# Altium PCB PCB_CAR.PcbDoc (part 1 of 3) (continued)
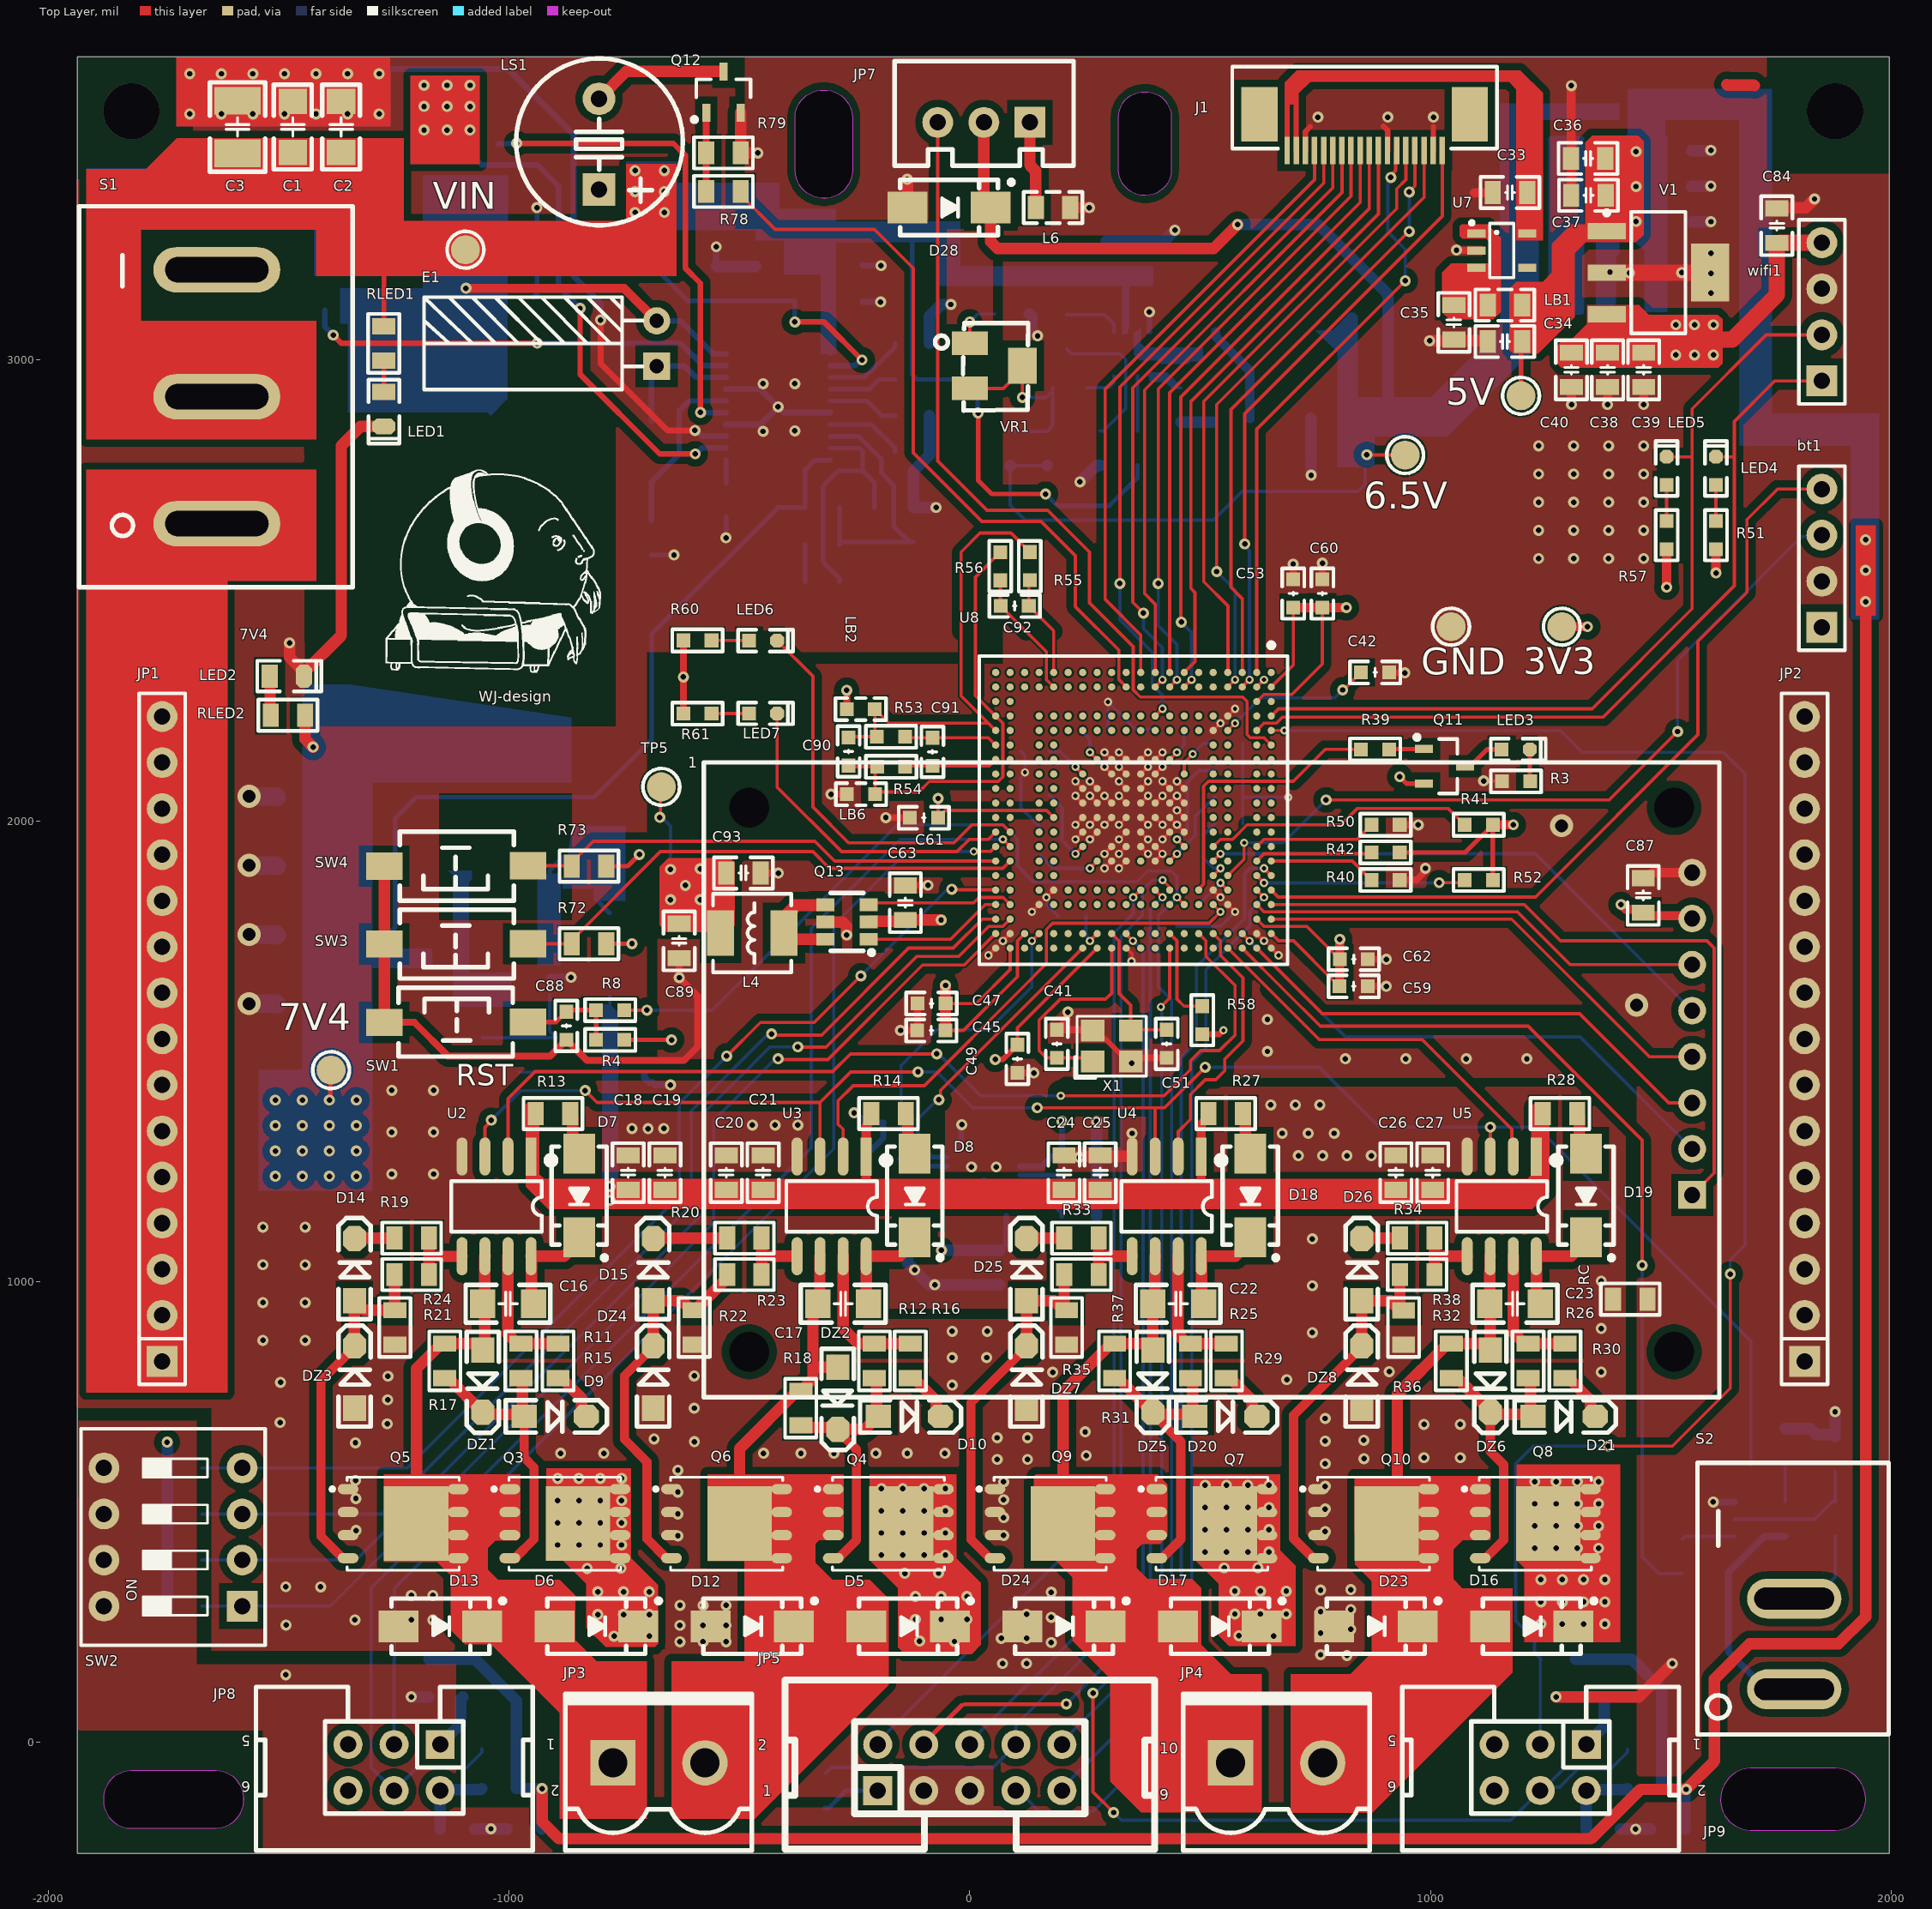
[diagram p0: Top Layer view]
## Footprints (in the part's own frame and the unit in brackets; to place one, negate y for a bottom-side part, rotate by r counter-clockwise, add the part's x,y. Pads: shape width x height; smd on the part's side, far side on the other; paste and mask are expansions set on the pad)
1.8'TFT [mil]
  round 60 hole 35: 1(-1138.98,-59.06) 2(-1038.98,-59.06) 3(-938.98,-59.06) 4(-838.98,-59.06) 5(-738.98,-59.06) 6(-638.98,-59.06) 7(-538.98,-59.06)
  rect 60x60 hole 35: 8(-438.98,-59.06)
  round 60 hole 86.61: 29(-1279.53,-2106.3) 29(-1279.53,-98.43) 29(-98.43,-98.43) 29(-98.43,-2106.3)
  silkscreen extent -1378,-2205 0,0
"BEEP 5x9x5.5" [mm] "5*9*5.5mm(脚距,直径,高度)"
  rect 1.8x1.8 hole 0.9: 1(0,-2.5)
  round 1.8 hole 0.9: 2(0,2.5)
  silkscreen extent -4.58,-4.47 4.62,4.72, body extent -4.5,-4.5 4.5,4.5, height 5.45
BGA292C80P20X20 [mm] "BGA,0.80mm pitch,square;292 pin,20 columns X 20 rows,17.00mm X 17.00mm X 1.70mm H"
  round 0.4 smd paste+0 mask+0: A1(-7.6,7.6) A2(-6.8,7.6) A3(-6,7.6) A4(-5.2,7.6) A5(-4.4,7.6) A6(-3.6,7.6) A7(-2.8,7.6) A8(-2,7.6) A9(-1.2,7.6) A10(-0.4,7.6) A11(0.4,7.6) A12(1.2,7.6) A13(2,7.6) A14(2.8,7.6) A15(3.6,7.6) A16(4.4,7.6) A17(5.2,7.6) A18(6,7.6) A19(6.8,7.6) A20(7.6,7.6) B1(-7.6,6.8) B2(-6.8,6.8) B3(-6,6.8) B4(-5.2,6.8) B5(-4.4,6.8) B6(-3.6,6.8) B7(-2.8,6.8) B8(-2,6.8) B9(-1.2,6.8) B10(-0.4,6.8) B11(0.4,6.8) B12(1.2,6.8) B13(2,6.8) B14(2.8,6.8) B15(3.6,6.8) B16(4.4,6.8) B17(5.2,6.8) B18(6,6.8) B19(6.8,6.8) B20(7.6,6.8) C1(-7.6,6) C2(-6.8,6) C19(6.8,6) C20(7.6,6) D1(-7.6,5.2) D2(-6.8,5.2) D4(-5.2,5.2) D5(-4.4,5.2) D6(-3.6,5.2) D7(-2.8,5.2) D8(-2,5.2) D9(-1.2,5.2) D10(-0.4,5.2) D11(0.4,5.2) D12(1.2,5.2) D13(2,5.2) D14(2.8,5.2) D15(3.6,5.2) D16(4.4,5.2) D17(5.2,5.2) D19(6.8,5.2) D20(7.6,5.2) E1(-7.6,4.4) E2(-6.8,4.4) E4(-5.2,4.4) E5(-4.4,4.4) E6(-3.6,4.4) E7(-2.8,4.4) E8(-2,4.4) E9(-1.2,4.4) E10(-0.4,4.4) E11(0.4,4.4) E12(1.2,4.4) E13(2,4.4) E14(2.8,4.4) E15(3.6,4.4) E16(4.4,4.4) E17(5.2,4.4) E19(6.8,4.4) E20(7.6,4.4) F1(-7.6,3.6) F2(-6.8,3.6) F4(-5.2,3.6) F5(-4.4,3.6) F16(4.4,3.6) F17(5.2,3.6) F19(6.8,3.6) F20(7.6,3.6) G1(-7.6,2.8) G2(-6.8,2.8) G4(-5.2,2.8) G5(-4.4,2.8) G8(-2,2.8) G9(-1.2,2.8) G10(-0.4,2.8) G11(0.4,2.8) G12(1.2,2.8) G13(2,2.8) G16(4.4,2.8) G17(5.2,2.8) G19(6.8,2.8) G20(7.6,2.8) H1(-7.6,2) H2(-6.8,2) H4(-5.2,2) H5(-4.4,2) H7(-2.8,2) H9(-1.2,2) H10(-0.4,2) H11(0.4,2) H12(1.2,2) H14(2.8,2) H16(4.4,2) H17(5.2,2) H19(6.8,2) H20(7.6,2) J1(-7.6,1.2) J2(-6.8,1.2) J4(-5.2,1.2) J5(-4.4,1.2) J7(-2.8,1.2) J8(-2,1.2) J10(-0.4,1.2) J11(0.4,1.2) J13(2,1.2) J14(2.8,1.2) J16(4.4,1.2) J17(5.2,1.2) J19(6.8,1.2) J20(7.6,1.2) K1(-7.6,0.4) K2(-6.8,0.4) K4(-5.2,0.4) K5(-4.4,0.4) K7(-2.8,0.4) K8(-2,0.4) K9(-1.2,0.4) K10(-0.4,0.4) K11(0.4,0.4) K12(1.2,0.4) K13(2,0.4) K14(2.8,0.4) K16(4.4,0.4) K17(5.2,0.4) K19(6.8,0.4) K20(7.6,0.4) L1(-7.6,-0.4) L2(-6.8,-0.4) L4(-5.2,-0.4) L5(-4.4,-0.4) L7(-2.8,-0.4) L8(-2,-0.4) L9(-1.2,-0.4) L10(-0.4,-0.4) L11(0.4,-0.4) L12(1.2,-0.4) L13(2,-0.4) L14(2.8,-0.4) L16(4.4,-0.4) L17(5.2,-0.4) L19(6.8,-0.4) L20(7.6,-0.4) M1(-7.6,-1.2) M2(-6.8,-1.2) M4(-5.2,-1.2) M5(-4.4,-1.2) M7(-2.8,-1.2) M8(-2,-1.2) M10(-0.4,-1.2) M11(0.4,-1.2) M13(2,-1.2) M14(2.8,-1.2) M16(4.4,-1.2) M17(5.2,-1.2) M19(6.8,-1.2) M20(7.6,-1.2) N1(-7.6,-2) N2(-6.8,-2) N4(-5.2,-2) N5(-4.4,-2) N7(-2.8,-2) N9(-1.2,-2) N10(-0.4,-2) N11(0.4,-2) N12(1.2,-2) N14(2.8,-2) N16(4.4,-2) N17(5.2,-2) N19(6.8,-2) N20(7.6,-2) P1(-7.6,-2.8) P2(-6.8,-2.8) P4(-5.2,-2.8) P5(-4.4,-2.8) P8(-2,-2.8) P9(-1.2,-2.8) P10(-0.4,-2.8) P11(0.4,-2.8) P12(1.2,-2.8) P13(2,-2.8) P16(4.4,-2.8) P17(5.2,-2.8) P19(6.8,-2.8) P20(7.6,-2.8) R1(-7.6,-3.6) R2(-6.8,-3.6) R4(-5.2,-3.6) R5(-4.4,-3.6) R16(4.4,-3.6) R17(5.2,-3.6) R19(6.8,-3.6) R20(7.6,-3.6) T1(-7.6,-4.4) T2(-6.8,-4.4) T4(-5.2,-4.4) T5(-4.4,-4.4) T6(-3.6,-4.4) T7(-2.8,-4.4) T8(-2,-4.4) T9(-1.2,-4.4) T10(-0.4,-4.4) T11(0.4,-4.4) T12(1.2,-4.4) T13(2,-4.4) T14(2.8,-4.4) T15(3.6,-4.4) T16(4.4,-4.4) T17(5.2,-4.4) T19(6.8,-4.4) T20(7.6,-4.4) U1(-7.6,-5.2) U2(-6.8,-5.2) U4(-5.2,-5.2) U5(-4.4,-5.2) U6(-3.6,-5.2) U7(-2.8,-5.2) U8(-2,-5.2) U9(-1.2,-5.2) U10(-0.4,-5.2) U11(0.4,-5.2) U12(1.2,-5.2) U13(2,-5.2) U14(2.8,-5.2) U15(3.6,-5.2) U16(4.4,-5.2) U17(5.2,-5.2) U19(6.8,-5.2) U20(7.6,-5.2) V1(-7.6,-6) V2(-6.8,-6) V19(6.8,-6) V20(7.6,-6) W1(-7.6,-6.8) W2(-6.8,-6.8) W3(-6,-6.8) W4(-5.2,-6.8) W5(-4.4,-6.8) W6(-3.6,-6.8) W7(-2.8,-6.8) W8(-2,-6.8) W9(-1.2,-6.8) W10(-0.4,-6.8) W11(0.4,-6.8) W12(1.2,-6.8) W13(2,-6.8) W14(2.8,-6.8) W15(3.6,-6.8) W16(4.4,-6.8) W17(5.2,-6.8) W18(6,-6.8) W19(6.8,-6.8) W20(7.6,-6.8) Y1(-7.6,-7.6) Y2(-6.8,-7.6) Y3(-6,-7.6) Y4(-5.2,-7.6) Y5(-4.4,-7.6) Y6(-3.6,-7.6) Y7(-2.8,-7.6) Y8(-2,-7.6) Y9(-1.2,-7.6) Y10(-0.4,-7.6) Y11(0.4,-7.6) Y12(1.2,-7.6) Y13(2,-7.6) Y14(2.8,-7.6) Y15(3.6,-7.6) Y16(4.4,-7.6) Y17(5.2,-7.6) Y18(6,-7.6) Y19(6.8,-7.6) Y20(7.6,-7.6)
  silkscreen extent -9.22,-8.5 8.5,8.5, body extent -8.52,-8.52 8.48,8.48, height 1.71
"C 0603_L" [mil] "无极性贴片电容"
  rect 30x30 smd: 1(-30.59,0) 2(30.59,0)
  silkscreen extent -55,-24 55,24, body extent -31,-16 31,16, height 32
"C 0805_L" [mil] "无极性贴片电容"
  rect 35x50 smd: 1(-37.4,0) 2(37.4,0)
  silkscreen extent -64,-34 64,34, body extent -39,-24 39,24, height 20
"C 1206_L" [mil] "无极性贴片电容"
  rect 55x62 smd: 1(-55.12,0) 2(55.11,0)
  silkscreen extent -92,-41 92,41, body extent -63,-32 63,32, height 48
"C 1210_L" [mil] "无极性贴片电容"
  rect 60x100 smd: 1(-57.09,0) 2(57.09,0)
  silkscreen extent -97,-60 97,60, body extent -63,-51 63,51, height 60
"CAP 2.5*5*11-H" [mm] "脚距2.5mm直径5mm高度11mm"
  rect 1.5x1.5 hole 0.8: 1(-1.25,0)
  round 1.5 hole 0.8: 2(1.25,0)
  silkscreen extent -2.54,0.76 2.55,12.83, body extent -2.5,-0.25 2.51,12.96, height 5.02
"CSW DIP-4P" [mm] "11.7*9.9*7mm"
  rect 1.7x1.7 hole 0.9: 1(-3.81,-3.81)
  round 1.7 hole 0.9: 2(-1.27,-3.81) 3(1.27,-3.81) 4(3.81,-3.81) 5(3.81,3.81) 6(1.27,3.81) 7(-1.27,3.81) 8(-3.81,3.81)
  silkscreen extent -5.97,-5.08 5.97,5.08, body extent -5.86,-4.95 5.86,4.95, height 6.65
"FB 0603_L" [mil] "小功率贴片磁珠"
  rect 30x30 smd: 1(-30.59,0) 2(30.59,0)
  silkscreen extent -55,-24 55,24, body extent -31,-16 32,16, height 31
"FB 0805_L" [mil] "小功率贴片磁珠"
  rect 35x50 smd: 1(-37.4,0) 2(37.4,0)
  silkscreen extent -64,-34 64,34, body extent -39,-24 39,24, height 35
FPC-05-18 [mm]
  rect 2x3 smd: 0(-5.606,-0.579) 0(5.992,-0.579)
  rect 0.305x1.5 smd: 1(4.468,-2.579) 2(3.965,-2.579) 3(3.462,-2.579) 4(2.959,-2.579) 5(2.456,-2.579) 6(1.953,-2.579) 7(1.45,-2.579) 8(0.947,-2.579) 9(0.444,-2.579) 10(-0.059,-2.579) 11(-0.561,-2.579) 12(-1.064,-2.579) 13(-1.567,-2.579) 14(-2.07,-2.579) 15(-2.573,-2.579) 16(-3.076,-2.579) 17(-3.579,-2.579) 18(-4.082,-2.579)
  silkscreen extent -7.11,-2.48 7.49,2.04, body extent -7.02,-2.68 7.41,2.43, height 2.01
HDR2.54-LI-4P [mm] "排针，4脚"
  rect 1.7x1.7 hole 0.9: 1(-3.81,0)
  round 1.7 hole 0.9: 2(-1.27,0) 3(1.27,0) 4(3.81,0)
  silkscreen extent -5.08,-1.27 5.08,1.27, body extent -5.08,-1.27 5.08,1.27, height 8.5
HDR2.54-LI-15P [mm] "排针，15脚"
  rect 1.7x1.7 hole 0.9: 1(-17.78,0)
  round 1.7 hole 0.9: 2(-15.24,0) 3(-12.7,0) 4(-10.16,0) 5(-7.62,0) 6(-5.08,0) 7(-2.54,0) 8(0,0) 9(2.54,0) 10(5.08,0) 11(7.62,0) 12(10.16,0) 13(12.7,0) 14(15.24,0) 15(17.78,0)
  silkscreen extent -19.05,-1.27 19.05,1.27, body extent -19.05,-1.27 19.05,1.27, height 8.5
HTSSOP-20_L6.5-W4.4-P0.65-LS6.4-BL-EP [mm]
  oval 0.343x1.747 smd: 1(-2.987,-3.022) 2(-2.337,-3.022) 3(-1.687,-3.022) 4(-1.037,-3.022) 5(-0.387,-3.022) 6(0.263,-3.022) 7(0.913,-3.022) 8(1.563,-3.022) 9(2.213,-3.022) 10(2.863,-3.022) 11(2.863,2.724) 12(2.213,2.724) 13(1.563,2.724) 14(0.913,2.724) 15(0.263,2.724) 16(-0.387,2.724) 17(-1.037,2.724) 18(-1.687,2.724) 19(-2.337,2.724) 20(-2.987,2.724)
  rect 4.2x3 smd: 21(-0.062,-0.149)
  silkscreen extent -3.76,-3.17 3.26,1.62
IDC2.54-LI-2x3P [mm] "6P简易牛角座"
  rect 1.6x1.6 hole 0.9: 1(0,0)
  round 1.6 hole 0.9: 2(0,2.54) 3(2.54,0) 4(2.54,2.54) 5(5.08,0) 6(5.08,2.54)
  silkscreen extent -5.11,-3.18 10.16,5.84, body extent -5.08,-3.08 10.16,5.77, height 9.17
IDC2.54-LI-2x5P [mm] "10P简易牛角座"
  rect 1.6x1.6 hole 0.9: 1(0,0)
  round 1.6 hole 0.9: 2(0,2.54) 3(2.54,0) 4(2.54,2.54) 5(5.08,0) 6(5.08,2.54) 7(7.62,0) 8(7.62,2.54) 9(10.16,0) 10(10.16,2.54)
  silkscreen extent -5.11,-3.23 15.27,6.1, body extent -5.08,-3.08 15.24,5.77, height 9.17
KEY-TH_CN-KCD1-101-3P [mm]
  oval 2.5x7 hole 1.4 slot 5.7 at 90 deg: 1(-7.041,-0.373) 2(-0.041,-0.373) 3(6.959,-0.373)
  silkscreen extent -10.54,-7.87 10.46,7.23
KEY-TH_CN-KCD11 [mm]
  oval 2.2x5.2 hole 1.2 slot 4.4 at 90 deg: 1(-3.476,0) 2(1.524,0)
  silkscreen extent -5.97,-5.21 9.02,5.33
KF2EDGK5.08-LI-2P [mm] "立插端子"
  rect 2.5x2.5 hole 1.6: 1(-2.54,0)
  round 2.5 hole 1.6: 2(2.54,0)
  silkscreen extent -5.16,-4.83 5.13,3.81, body extent -5.08,-4.75 5.08,3.75, height 11.25
"L 0805_L" [mil] "小功率贴片电感"
  rect 35x50 smd: 1(-37.4,0) 2(37.4,0)
  silkscreen extent -64,-34 64,34, body extent -39,-24 39,24, height 35
L-SMD-0420 [mm] "一体化成型电感"
  rect 1.5x2.5 smd: 1(-1.75,0) 2(1.75,0)
  silkscreen extent -2.16,-2.16 2.16,2.16, body extent -2.25,-2.05 2.25,2.05, height 2.05
L-SMD-0630 [mm] "一体化成型电感"
  rect 3x3.5 smd: 1(-3.175,0) 2(3.175,0)
  silkscreen extent -3.66,-3.48 3.66,3.48, body extent -3.47,-3.3 3.48,3.3, height 3.05
"LED 0603Y" [mil] "黄色0603LED"
  rect 30x30 smd: 1(-30.59,0)
  oct 30x30 smd: 2(30.59,0)
  silkscreen extent -54,-24 65,24, body extent -31,-16 31,16, height 24
"LED 0805G" [mil] "绿色0805LED"
  rect 35x50 smd: 1(-37.4,0)
  oct 35x50 smd: 2(37.4,0)
  silkscreen extent -64,-33 75,33, body extent -39,-25 39,25, height 32
"OSC 3225-4P" [mm] "3.2*2.5*0.7mm(长宽高)"
  rect 1.3x1.2 smd: 1(-1.05,-0.85) 2(1.05,-0.85) 3(1.05,0.85) 4(-1.05,0.85)
  silkscreen extent -2.03,-1.75 1.9,1.65, body extent -1.6,-1.25 1.6,1.25, height 0.7
PQFN-8P_L5.8-W4.9-P1.27-LS6.0-BL [mm]
  oval 0.567x1.141 smd: 1(-1.897,-3.761) 2(-0.627,-3.761) 3(0.643,-3.761) 4(1.913,-3.761) 5(1.913,2.315) 6(0.643,2.315) 7(-0.627,2.315) 8(-1.897,2.315)
  rect 4.11x3.55 smd: 9(0.008,-0.008)
  silkscreen extent -2.56,-4.73 2.57,2.37
QFN-24_L4.0-W4.0-P0.50-BL-EP2.7 [mm]
  oval 0.28x0.8 smd: 1(-1.262,-2) 2(-0.762,-2) 3(-0.262,-2) 4(0.238,-2) 5(0.738,-2) 6(1.238,-2) 13(1.238,2) 14(0.738,2) 15(0.238,2) 16(-0.262,2) 17(-0.762,2) 18(-1.254,2)
  oval 0.8x0.28 smd: 7(1.987,-1.25) 8(1.988,-0.75) 9(1.987,-0.25) 10(1.988,0.25) 11(1.987,0.75) 12(1.988,1.25) 19(-2.012,1.25) 20(-2.012,0.75) 21(-2.012,0.25) 22(-2.013,-0.25) 23(-2.012,-0.75) 24(-2.013,-1.25)
  rect 2.7x2.7 smd: 25(0,0)
  silkscreen extent -2.15,-2.79 2.15,2.15
"R 0603_L" [mil] "1/10W贴片电阻"
  rect 30x30 smd: 1(-30.59,0) 2(30.59,0)
  silkscreen extent -55,-24 55,24, body extent -31,-16 32,16, height 16
"R 0805_L" [mil] "1/8W贴片电阻"
  rect 35x50 smd: 1(-37.4,0) 2(37.4,0)
  silkscreen extent -64,-34 64,34, body extent -39,-25 39,25, height 20
"R 1206_L" [mil] "1/4W贴片电阻"
  rect 55x62 smd: 1(-55.12,0) 2(55.11,0)
  silkscreen extent -92,-41 92,41, body extent -63,-31 63,31, height 22
RES-ADJ-SMD_3224W [mm]
  rect 1.3x2 smd: 1(-1.267,-1.336) 3(1.233,-1.336)
  rect 2x1.6 smd: 2(-0.017,1.564)
  silkscreen extent -2.38,-3.25 2.45,1.88
SMA [mm] "4.5x2.6*2.2mm（长宽高，不包括引脚）"
  rect 2.2x1.75 smd: 1(-2.3,0) 2(2.3,0)
  silkscreen extent -2.7,-1.52 3.56,1.52, body extent -2.52,-1.3 2.57,1.3, height 2.15
SMD-L-1770 [mm]
  rect 12.35x3.825 smd: 1(0.318,7.315)
  rect 12.32x3.825 smd: 2(0.317,-9.04)
  silkscreen extent -8.28,-9.38 8.92,7.82
SOD-123 [mil] "2.7x1.6X1.1mm（长宽高，不包括引脚）"
  rect 55x50 smd: 1(-67.5,0)
  oct 55x50 smd: 2(67.5,0)
  silkscreen extent -108,-35 112,35, body extent -73,-31 73,31, height 48
SOP8_M [mm] "5*6*1.8mm（长宽高）"
  rect 2.1x0.6 smd: 1(-2.75,1.905)
  oval 2.1x0.6 smd: 2(-2.75,0.635) 3(-2.75,-0.635) 4(-2.75,-1.905) 5(2.75,-1.905) 6(2.75,-0.635) 7(2.75,0.635) 8(2.75,1.905)
  silkscreen extent -2.69,-2.5 1.4,3.15, body extent -3,-2.5 3,2.5, height 1.9
SOT23-3L [mm] "3x1.3x1mm(长宽高)"
  rect 0.45x1 smd: 1(-0.95,-1.143) 2(0.95,-1.143) 3(0,1.125)
  silkscreen extent -1.72,-1.65 1.5,0.7, body extent -1.5,-1.2 1.5,1.2, height 1.05
SOT23-5L [mm] "3x1.6x1.1mm(长宽高)"
  rect 0.45x1 smd: 1(-0.95,-1.4) 2(0,-1.4) 3(0.95,-1.4) 4(0.95,1.4) 5(-0.95,1.4)
  silkscreen extent -1.6,-1.73 1.5,0.66, body extent -1.5,-1.4 1.5,1.4, height 1.15
SOT23-6N [mm] "3x1.6x1.1mm(长宽高)"
  rect 0.5x1.2 smd: 1(-0.95,-1.4) 2(0,-1.4) 3(0.95,-1.4) 4(0.95,1.4) 5(0,1.4) 6(-0.95,1.4)
  silkscreen extent -1.78,-1.78 1.55,0.51, body extent -1.5,-1.4 1.5,1.4, height 1.15
SOT223_L [mm] "SOT223, 4-Leads, Body 6.5x3.5mm, Pitch 2.3mm, Lead Span 7mm, IPC High Density"
  rect 2.1x0.9 smd: 1(-2.85,2.3) 2(-2.85,0) 3(-2.85,-2.3)
  rect 2.1x3.2 smd: 4(2.85,0)
  silkscreen extent -2.97,-3.35 1.5,3.42, body extent -1.85,-3.35 1.85,3.35, height 1.7
"TEST 1.6" [mm] "测试点1.6mm"
  round 1.6 smd paste-1.6: 1(0,0)
  silkscreen extent -1.01,-1.02 1.02,1.02
TO263-3A [mm] "263，3脚晶体管"
  rect 3.45x1 smd: 1(-6.225,2.54) 2(-6.225,0) 3(-6.225,-2.54)
  rect 10.5x10 smd: 2(4.5,0)
  silkscreen extent -6.55,-5.33 -0.25,5.33, body extent -6.24,-5 8.19,5, height 4.7
TSOP-6_L3.0-W1.5-P0.95-LS2.8-BR [mm]
  rect 1x0.7 smd: 1(1.159,-1.02) 2(1.159,-0.071) 3(1.159,0.879) 4(-1.241,0.879) 5(-1.241,-0.071) 6(-1.241,-1.02)
  silkscreen extent -0.94,-1.88 1.44,1.53
TSOT-23-8 [mil]
  oval 48.11x14.33 smd: 1(-0.76,25.88) 2(-0.76,51.47) 3(-0.76,77.06) 4(-0.77,102.66) 5(-96.13,102.66) 6(-96.12,77.06) 7(-96.12,51.47) 8(-96.12,25.88)
  silkscreen extent -63,-5 5,124
"TSW SMD-3*6*2.5" [mm] "3*6*2.5mm"
  rect 2x1.5 smd: 1(-3.996,-0.02) 2(3.937,0)
  silkscreen extent -3.21,-1.9 3.09,1.9, body extent -4,-1.88 4,1.62, height 2.59
XH2.54-LI-3P [mm] "接插件，3P"
  rect 1.7x1.7 hole 0.9: 1(-2.54,0)
  round 1.7 hole 0.9: 2(0,0) 3(2.54,0)
  silkscreen extent -4.95,-3.38 4.93,2.39, body extent -5.04,-3.3 5.04,2.4, height 7.03

## Part data
1: library part 1.8'TFT
3V3 5V 6.5V 7V4 GND TP5 VIN: "测试点", BOM名称=测试点, 学习资源=www.ooocke.com, 版权归属=源创客
bt1 wifi1: library part "Header 4", "4P接插件", BOM名称=4P接插件, 学习资源=www.ooocke.com, 版权归属=源创客
C1 C2 C3 C4 C5 C6 C7 C8 C9 C10 C11 C12 C13 C14 C15 C16 C17 C18 C19 C20 C21 C22 C23 C24 C25 C26 C27 C28 C29 C30 C31 C32 C33 C34 C35 C36 C37 C38 C39 C40 C41 C42 C43 C44 C45 C46 C47 C48 C49 C50 C51 C52 C53 C54 C55 C56 C57 C58 C59 C60 C61 C62 C63 C64 C65 C66 C67 C68 C69 C70 C71 C72 C73 C74 C75 C76 C77 C78 C79 C80 C81 C82 C83 C84 C85 C86 C87 C88 C89 C90 C91 C92 C93 CIN1: library part C, "无极性贴片电容", BOM名称=无极性贴片电容, 学习资源=www.ooocke.com, 材质=X7R, 版权归属=源创客
D1 D5 D6 D7 D8 D12 D13 D16 D17 D18 D19 D23 D24 D27: "肖特基二极管", BOM名称=肖特基二极管, 学习资源=www.ooocke.com, 版权归属=源创客
  D1 D5 D6 D7 D8 D12 D13 D16 D17 D18 D19 D23 D24: 属性=40V/3A
  D27: 属性=40V/2A
D3 D11 D22: library part SS34, "肖特基二极管", BOM名称=肖特基二极管, 学习资源=www.ooocke.com, 属性=40V/3A, 版权归属=源创客
D9 D10 D14 D15 D20 D21 D25 D26: "高速开关二极管", BOM名称=高速开关二极管, 学习资源=www.ooocke.com, 版权归属=源创客
D28: library part SS24, "肖特基二极管", BOM名称=肖特基二极管, 学习资源=www.ooocke.com, 属性=40V/2A, 版权归属=源创客
DR1: library part DR, "瞬态电压抑制二极管", BOM名称=瞬态电压抑制二极管, 学习资源=www.ooocke.com, 版权归属=源创客
DZ1 DZ2 DZ3 DZ4 DZ5 DZ6 DZ7 DZ8: library part 1N4102, "18V稳压管", BOM名称=8.7V/0.5W稳压管, 学习资源=www.ooocke.com, 版权归属=源创客
E1: library part C-CAP, "直插电解电容", BOM名称=直插电解电容, 学习资源=www.ooocke.com, 版权归属=源创客
IC1: "可调升压芯片", BOM名称=可调升压芯片, 学习资源=www.ooocke.com, 版权归属=源创客
JP1 JP2: library part "Header 15", "15P接插件", BOM名称=15P接插件, 学习资源=www.ooocke.com, 版权归属=源创客
JP3 JP4: library part "Header 2", "2P接插件", BOM名称=2P接插件, 学习资源=www.ooocke.com, 版权归属=源创客
JP5: "5*2P接插件", BOM名称=5*2P接插件, 学习资源=www.ooocke.com, 版权归属=源创客
JP7: library part "Header 3", "3P接插件", BOM名称=3P接插件, 学习资源=www.ooocke.com, 版权归属=源创客
JP8 JP9: library part "Header 3X2", "3*2P接插件", BOM名称=3*2P接插件, 学习资源=www.ooocke.com, 版权归属=源创客
L1 L4: library part L-CD, "贴片功率电感", BOM名称=功率电感, 学习资源=www.ooocke.com, 版权归属=源创客
L2 L5: library part L-CDRH, "功率屏蔽电感", BOM名称=功率屏蔽电感, 学习资源=www.ooocke.com, 版权归属=源创客
L3 L6 L7 L8: library part L, "小功率贴片电感", BOM名称=小功率贴片电感, 学习资源=www.ooocke.com, 版权归属=源创客
LB1 LB2 LB3 LB4 LB5 LB6: library part LB, "磁珠", BOM名称=磁珠, 学习资源=www.ooocke.com, 版权归属=源创客
LED1 LED2 LED3 LED4 LED5 LED6 LED7: library part LED-SMD, "贴片LED", BOM名称=贴片LED, 学习资源=www.ooocke.com, 版权归属=源创客
LS1: library part BEEP, "蜂鸣器", BOM名称=蜂鸣器, 学习资源=www.ooocke.com, 版权归属=源创客
R1 R2 R3 R4 R5 R6 R7 R8 R9 R10 R11 R12 R13 R14 R15 R16 R17 R18 R19 R20 R21 R22 R23 R24 R25 R26 R27 R28 R29 R30 R31 R32 R33 R34 R35 R36 R37 R38 R39 R40 R41 R42 R43 R44 R45 R46 R47 R48 R49 R50 R51 R52 R53 R54 R55 R56 R57 R58 R59 R60 R61 R66 R67 R68 R69 R70 R71 R72 R73 R74 R75 R76 R77 R78 R79 R80 R81 R82 R83 R84 RC RC1 RF1 RF2 RFB1 RFB2 RLED1 RLED2: library part R, "贴片电阻", BOM名称=贴片电阻, 学习资源=www.ooocke.com, 版权归属=源创客
S1: library part CN-KCD1-101-3P
S2: library part "TSW DIP-2Pin-6x6", "2脚直插6x6轻触开关", BOM名称=2脚轻触开关, 学习资源=www.ooocke.com, 版权归属=源创客
SW1 SW3 SW4: library part "TSW 3x6", "3x6轻触开关", BOM名称=3x6轻触开关, 学习资源=www.ooocke.com, 版权归属=源创客
SW2: "4路编码开关", BOM名称=4路编码开关, 学习资源=www.ooocke.com, 版权归属=源创客
U1: Manufacturer Name="Texas Instruments", Manufacturer Part Number=LM5116MH/NOPB, PackageReference=LM5116MH/NOPB
U2 U3 U4 U5: library part EG2104
U7: library part LP5907MFX-1.8/NOPB
U8: "32-Bit Single-Chip Microcontroller", Manufacturer="Infineon Technologies", Manufacturer Order Number="SAL-TC377TP-96F300S AA", PackageReference=PG-LFBGA-292-11
V1 V2: library part LM2940, "5V稳压芯片", BOM名称=5V稳压芯片, 学习资源=www.ooocke.com, 版权归属=源创客
VR1: library part 3224W-1-503E
X1: library part XTAL-4P, "4脚无源晶振", BOM名称=4脚无源晶振, 学习资源=www.ooocke.com, 版权归属=源创客, 负载电容=CL20pF

## Via types
v1: diameter 24, hole 12, Top Layer to Bottom Layer, 474 vias
v2: diameter 18, hole 9, Top Layer to Bottom Layer, 92 vias
v3: diameter 50, hole 28, Top Layer to Bottom Layer, 6 vias
v4: diameter 122.05, hole 122.05, Top Layer to Bottom Layer, 2 vias

## Nets (pads, with @x,y where several pads share a name; then routed paths per layer and width w, separated by ;. In a path a pad name is that pad's centre, name@x,y a point inside that pad or via, vN(x,y) a via of type N, cw(c..) or ccw(c..) an arc to the next point about the centre after c; other vN are vias at no path point)
1.3V: C43.2 C44.2 C46.2 C48.2 C50.2 C52.2 C54.2 C55.2 C56.2 C57.2 C58.2 C89.1 C93.1 L4.2 TP5.1 U8.D16 U8.E15 U8.G8 U8.G13 U8.H7 U8.H14 U8.N7 U8.N14 U8.N19 U8.P8 U8.P13 | length 1598.1
  Top Layer w7: v1(-673.24,2007.3) -671.56,2008.98 -671.56,2071.95 TP5.1@-669.88,2073.64 ; v2(229.27,1928.27) U8.P13@245.02,1944.02 ; v2(229.27,2117.24) U8.P8@245.02,2101.5 ; v2(260.76,1739.29) U8.N19@276.51,1755.04 ; v2(260.76,1896.77) U8.N14@276.51,1912.52 ; v2(260.76,2148.74) U8.N7@276.51,2132.99 ; U8.H14@433.99,1912.52 v2(449.74,1928.27) ; U8.H7@433.99,2132.99 v2(449.74,2148.74) ; v2(449.74,1959.76) U8.G13@465.49,1944.02 ; U8.G8@465.49,2101.5 465.49,2126.35 v2(483.88,2144.74) ; U8.E15@528.48,1881.02 v2(544.23,1896.77) ; v2(544.23,1865.28) U8.D16@559.98,1849.53
  Bottom Layer w7: v1(-673.24,2007.3) -668.64,2007.3 -649.96,1988.61 v1(-649.96,1894.35) ; C57.2@153.97,1923.62 180.83,1896.77 v2(260.76,1896.77) ; C54.2@172.04,2055.84 200,2027.88 200,1957.54 v2(229.27,1928.27) ; C50.2@172.04,2150.33 196.18,2150.33 v2(229.27,2117.24) ; C48.2@238.96,2198.77 260.76,2176.96 v2(260.76,2148.74) ; C56.2@252.56,1792.96 252.56,1750.47 260.76,1742.27 v2(260.76,1739.29) ; v2(449.74,1928.27) 489.43,1967.95 489.43,2009.19 C52.2@531.41,2051.17 ; v2(449.74,1959.76) 472.14,1982.16 472.14,2083.76 497.3,2108.92 C58.2@531.41,2108.92 ; v2(449.74,2148.74) 465.2,2164.2 C43.2@465.2,2198.77 ; v2(483.88,2144.74) 507.14,2168 C46.2@530.41,2168 ; C44.2@493,1814.59 493.54,1814.59 v2(544.23,1865.28) ; C55.2@531.41,1993.42 507.35,1969.36 507.35,1918.62 529.19,1896.77 v2(544.23,1896.77)
  other v1: -649.96,1828.77 -585.33,1828.77 -617.57,1859.86 -585.33,1895.55
3.3V: 1.2 3V3.1 bt1.1 C38.2 C39.2 C40.2 C42.1 C45.1 C47.1 C49.1 C53.2 C59.1 C60.2 C61.1 C62.1 C63.2 C72.2 C73.2 C75.2 C84.1 C87.2 JP5.1 LB2.1 LS1.1 Q11.2 Q13.2 R4.2 R41.2 R42.2 R49.2 R51.2 R52.2 R57.2 R58.2 R60.2 R61.2 R66.1 R67.1 R68.1 R69.1 R72.1 R73.1 R76.2 R77.2 S2.1 U6.5 U8.A2 U8.A19 U8.B3 U8.B18 U8.D5 U8.N20 U8.T11 U8.V19 U8.W20 U11.8 U11.13 V1.3 wifi1.4 | length 6126.4
  Top Layer w7: C61.1@-69.09,2006.42 C61.1@-68.82,2006.7 ; v1(-68.82,2048.56) C61.1@-68.82,2006.7 ; C45.1@-52.93,1544.86 -13.62,1544.86 103.28,1661.77 103.28,1739.29 U8.V19@119.03,1755.04 ; C47.1@-52.52,1603.19 13.55,1603.19 87.54,1677.18 U8.W20@87.54,1723.54 ; C49.1@103.28,1513.68 103.28,1550.31 U8.N20@276.51,1723.54 ; U8.T11@182.02,2007.01 166.65,2022.38 -53.13,2022.38 -57.59,2017.92 C61.1@-68.82,2006.7 ; U8.D5@559.98,2195.98 v2(575.72,2211.73) ; U8.B18@622.97,1786.54 638.72,1770.79 731.58,1770.79 791.45,1710.93 791.65,1710.93 802.95,1699.63 C62.1@802.95,1699.43 ; U8.B3@622.97,2258.98 638.34,2274.35 699.47,2274.35 765.54,2340.42 C60.2@765.54,2462.48 ; U8.A19@654.46,1755.04 670.21,1739.29 702.79,1739.29 789.95,1652.13 791.4,1652.13 C59.1@802.9,1640.63 ; U8.A2@654.46,2290.47 702.3,2338.31 C53.2@702.3,2462.78 ; v1(809.51,2284.06) 811.5,2284.06 C42.1@849.41,2321.97
  Top Layer w10: R72.1@-789.6,1733 v1(-733.51,1733) ; R73.1@-789.6,1901.43 -742.93,1901.43 v1(-717.51,1926.85) ; R4.2@-750.29,1524.31 v1(-647.66,1524.31) ; R42.2@933.31,1931.26 1075.59,1931.26 R41.2@1135.59,1991.26 R52.2@1135.59,1871.27 ; v1(933.31,2095.5) 947.91,2080.9 Q11.2@985.94,2080.9
  Top Layer w12: v1(55.25,1481.68) 71.28,1481.68 C49.1@103.28,1513.68
  Top Layer w13: R58.2@504.76,1536.4 541.93,1536.4 v2(550.57,1545.04)
  Top Layer w15: R61.2@-621.92,2232.64 v1(-621.92,2312.14) R60.2@-621.92,2391.64 ; v1(-267.44,2283.47) LB2.1@-267.44,2242.45 LB2.1@-266.85,2243.04
  Top Layer w20: C53.2@702.3,2462.78 C60.2@765.54,2462.78 v1(817.55,2462.78) ; C59.1@802.9,1640.63 803.02,1640.75 803.02,1699.3 C62.1@803.15,1699.43 v1(803.15,1742.62) ; R41.2@1135.59,1991.26 v1(1179.97,1991.26) ; 3V3.1@1285.47,2421.34 v1(1341,2421.34) ; v1(1414,1818.03) 1423.93,1808.1 1454.5,1808.1 C87.2@1462,1800.6 1468.47,1794.13 1561.86,1794.13 1.2@1568.33,1787.66 ; v1(1513,2507) R57.2@1513,2589.41 ; v1(1620,2538) R51.2@1620,2589.41
  Top Layer w25: Q13.2@-219.38,1780.22 -218.1,1781.5 -143.21,1781.5 C63.2@-140.17,1784.55 v1(-62.35,1784.55) ; C45.1@-52.93,1544.86 v1(-52.93,1642.62)
  Top Layer w35: 1594,3044.85 1655.44,3044.85 1752.35,3141.76 C84.1@1752.35,3254.69 1759.85,3254.69 1760.16,3255 wifi1.4@1850,3255
  Bottom Layer w7: v2(575.72,2211.73) 630.65,2266.65 792.11,2266.65 v1(809.51,2284.06)
  Bottom Layer w10: R49.2@-314,-143.4 -306.5,-143.4 -268.72,-105.62 JP5.1@-200,-105.62
  Bottom Layer w13: v1(-251.24,1365.85) -248.4,1365.85 -227.54,1345 R77.2@-187.4,1345 -188.15,1344.25 -188.15,1310.81 -226.84,1272.13 R76.2@-226.84,1264.63 ; C72.2@65,1067.4 68.12,1067.4 79.12,1078.4 U11.13@79.12,1141.96 ; U11.8@108.65,1250.22 157.72,1250.22 200,1292.5 C75.2@200,1300 199.92,1300.08 v1(199.84,1347.74) v1(199.84,1347.74)
  Bottom Layer w15: U6.5@1770.21,446.29 1725.29,446.29 1647.1,368.1 1647.1,196 1728.66,114.44 S2.1@1789.97,114.44
  Bottom Layer w25: R66.1@-1742.4,295 R67.1@-1742.4,395 R68.1@-1742.4,495 R69.1@-1742.4,595 v1@-1742.4,649.65 ; v1@-61.57,1067.41 C73.2@-10,1067.4 ; C73.2@-10,1067.4 C72.2@65,1067.4
  other v1: -1742.95,651.04 -61.59,1067.42 1532.89,3011.18 1573.67,3011.18 1614.45,3011.18 1532.89,3076.69 1573.67,3076.69 1614.45,3076.69
+5V: 5V.1 C34.1 C36.2 C37.2 C77.2 C81.2 C82.2 C83.2 C86.2 LB1.1 LB3.2 LB5.2 R81.2 R82.2 R83.2 R84.2 V1.1 V2.3 | length 7002
  Top Layer w10: 5V.1@1196.71,2922.8 1196.71,3037.91 C34.1@1199.23,3040.43
  Top Layer w25: v1(-928.82,-101.15) -928.82,-173.18 -892,-210 1349.03,-210 1456.14,-102.89 v1(1555.42,-102.89) 1617,-41.31 1617,137 1692.88,212.88 1885.88,212.88 1945,272 v1(1945,2475.49)
  Bottom Layer w7: V2.3@1490,3175.08 1490,3452.34 C83.2@1492.66,3455
  Bottom Layer w25: R81.2@-1174.6,180 -1075,180 -984.6,89.6 R82.2@-984.6,-15 LB3.2@-984.6,-101 -928.97,-101 v1(-928.82,-101.15) -929.66,-101.99 C77.2@-929.66,-189.3 ; R83.2@1315,180 1436.84,180 1502.4,114.44 R84.2@1502.4,-15 LB5.2@1502.4,-101 1553.53,-101 v1(1555.42,-102.89) 1552.94,-105.37 C86.2@1552.94,-189.3
  other v1: 1945,2543.74 1945,2610 1446.52,3301.05 1446.52,3376.94 1446.52,3452.83
+6.5V: 6.5V.1 C64.1 C69.1 C70.1 C78.2 D28.2 JP7.2 L5.1 LB4.1 RF1.2 | length 2596.9
  Top Layer w7: v1(861.81,2794.76) 862.19,2794.38 944.81,2794.38 6.5V.1@945.19,2794
  Top Layer w25: JP7.2@30.39,3516.29 30.39,3346.42 D28.2@45.52,3331.29 45.52,3257.14 60.17,3242.5 529.5,3242.5 v1(581.36,3294.35)
  Bottom Layer w7: C64.1@87.52,2770.6 87.52,2685.37 120.28,2652.61 528.75,2652.61 591.4,2715.26 843.09,2715.26 858.17,2730.34 v1@858.17,2791.93 ; C64.1@88.02,2771.1 RF1.2@167.88,2771.1
  Bottom Layer w25: C64.1@87.52,2770.6 C64.1@88.02,2771.1 ; RF1.2@167.88,2771.1 RF1.2@168.38,2771.6 ; v1(581.36,3294.35) 756.31,3294.35 908,3142.66 908,2892.17
+15V: C18.2 C19.2 C20.2 C21.2 C24.2 C25.2 C26.2 C27.2 C28.1 C29.1 C30.1 D27.2 R13.1 R14.1 R27.1 R28.1 R43.1 U2.1 U3.1 U4.1 U5.1 | length 1066.9
  Top Layer w20: R14.1@-213.95,1364.5 -221.45,1357 -221.45,1341.46 -225.12,1337.79 U3.1@-225.12,1271.09 ; R27.1@518.33,1364.5 518.33,1357 502.42,1341.1 U4.1@502.42,1271.09 ; -225.12,1200.89 -227.44,1198.57 -225.12,1200.89 ; -225.12,1200.89 U3.1@-225.12,1271.09 ; -225.12,1200.89 U3.1@-225.12,1271.09 ; 502.42,1196.32 504.76,1193.99 502.42,1196.32 ; 502.42,1196.32 U4.1@502.42,1271.09 ; 502.42,1196.32 U4.1@502.42,1271.09
  Bottom Layer w7: D27.2@-782.44,1619.1 -781.56,1618.22 C29.1@-781.56,1449.37 ; C30.1@-897.33,1454.23 R43.1@-977.39,1454.23 C30.1@-897.33,1454.23 ; C30.1@-897.33,1454.23 C29.1@-786.41,1454.23 ; C30.1@-897.33,1454.23 C29.1@-786.41,1454.23 ; C29.1@-786.41,1454.23 C29.1@-781.56,1449.37 ; C29.1@-786.41,1454.23 C29.1@-781.56,1449.37
  other v1: -780.88,1175.75 -781.16,1206.24
ATOM1_CH3_P10_3: JP7.3 U8.A6 | length 1876.4
  Top Layer w7: JP7.3@-69.61,3516.29 -69.61,2781.02 37.41,2674 169.14,2674 259.7,2583.44 259.7,2473.27 355,2377.97 355,2284.06 370.19,2268.87 592.06,2268.87 601.95,2258.98 601.95,2187.05 608.77,2180.24 638.72,2180.24 U8.A6@654.46,2164.49
ATOM1_CH5_P20_9: U3.2 U8.E17 | length 1191.6
  Top Layer w7: U3.2@-275.12,1271.09 -275.12,1330.19 -286.4,1341.47 -286.4,1391.6 -253.31,1424.69 -98.88,1424.69 111.23,1634.8 166.28,1689.85 166.28,1764.03 179.93,1777.68 519.63,1777.68 v2(544.23,1802.28) U8.E17@528.48,1818.03
ATOM1_CH7_P15_4: 1.8 U8.A17 | length 1556.3
  Top Layer w7: U8.A17@654.46,1818.03 743.21,1818.03 1203.63,1818.03 1282.37,1739.29 1600.25,1739.29 1616,1723.54 1616,1235.33 1.8@1568.33,1187.66
ATOM2_CH1_P20_13: U5.2 U8.D20 | length 840.2
  Top Layer w7: U8.D20@559.98,1723.54 648.72,1634.8 758.52,1525 982,1525 1176.79,1330.21 1176.79,1274.27 U5.2@1179.97,1271.09
ATOM2_CH6_P20_10: U4.2 U8.E19 | length 582.5
  Top Layer w7: U4.2@452.42,1271.09 452.42,1325.23 478.93,1351.73 478.93,1405.87 510.96,1437.91 534.01,1437.91 553.66,1457.55 553.66,1482.71 593.13,1522.18 593.13,1658.89 544.23,1707.79 544.23,1739.29 U8.E19@528.48,1755.04
ATOM2_CH7_P20_7: U2.2 U8.F19 | length 2100.5
  Top Layer w7: U2.2@-1002.67,1271.09 -1002.67,1396.58 -943.83,1455.42 -297.77,1455.42 -259.3,1493.9 v1(-71.83,1493.9) ; v2(197.53,1402.8) 422.04,1402.8 478.93,1459.68 478.93,1478.52 501.41,1501.01 541.93,1501.01 575.72,1534.81 575.72,1642.62 512.73,1705.61 512.73,1739.29 U8.F19@496.98,1755.04
  Bottom Layer w7: v1(-71.83,1493.9) -67.9,1493.9 23.07,1402.93 197.39,1402.93 v2(197.53,1402.8)